# Altium PCB PROB_S7CAS_PCB.PcbDoc (part 1 of 6) (continued)
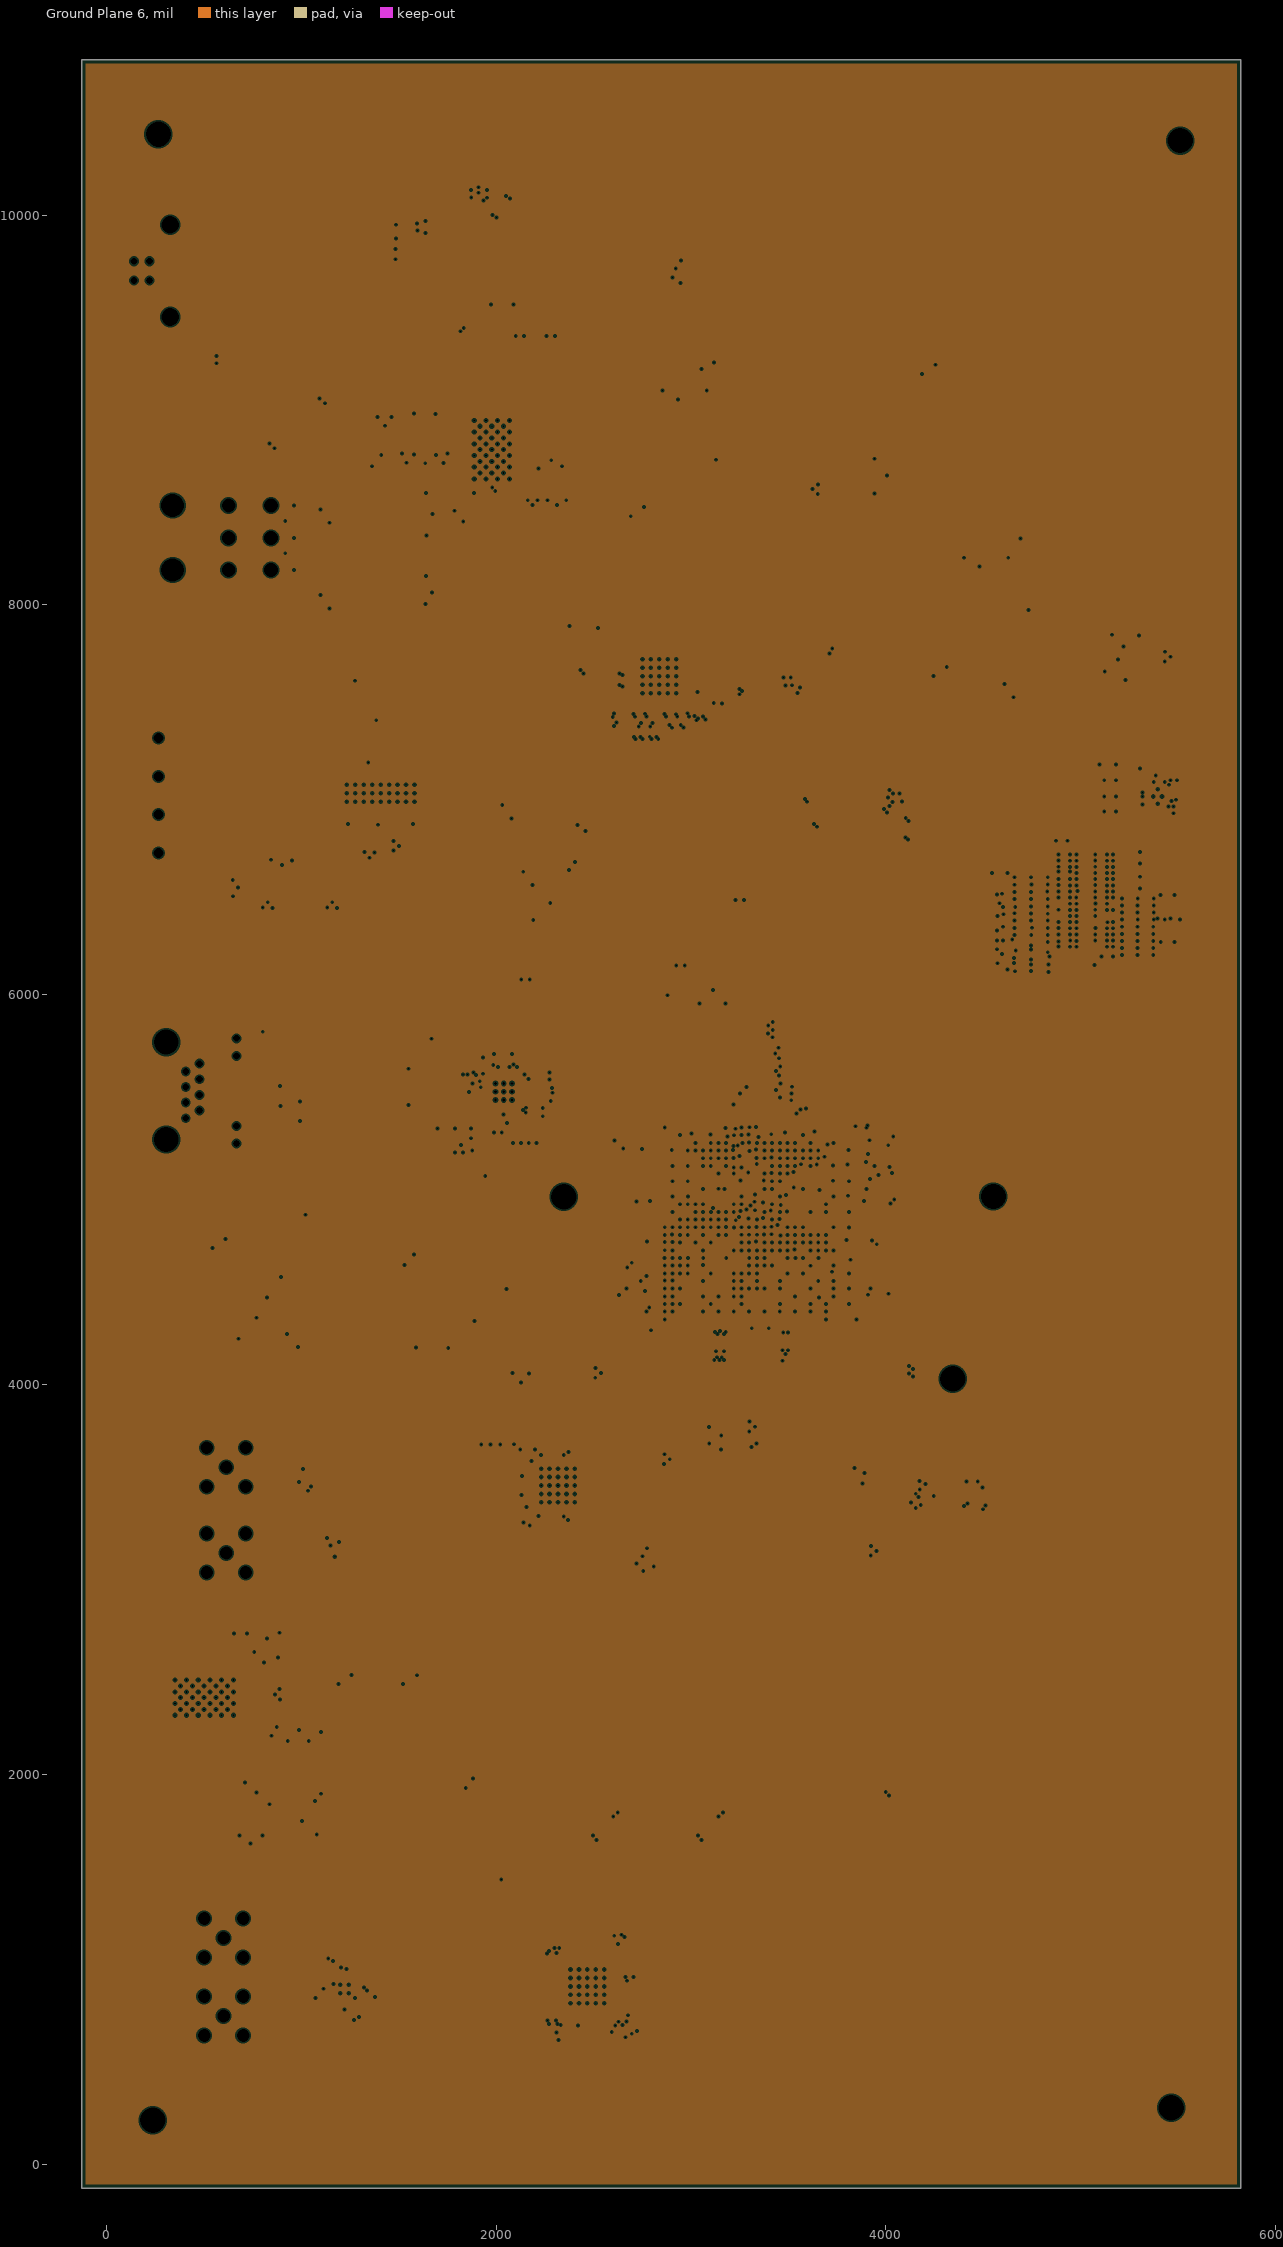
[diagram p11: Ground Plane 6, clearances drawn from the general rule]
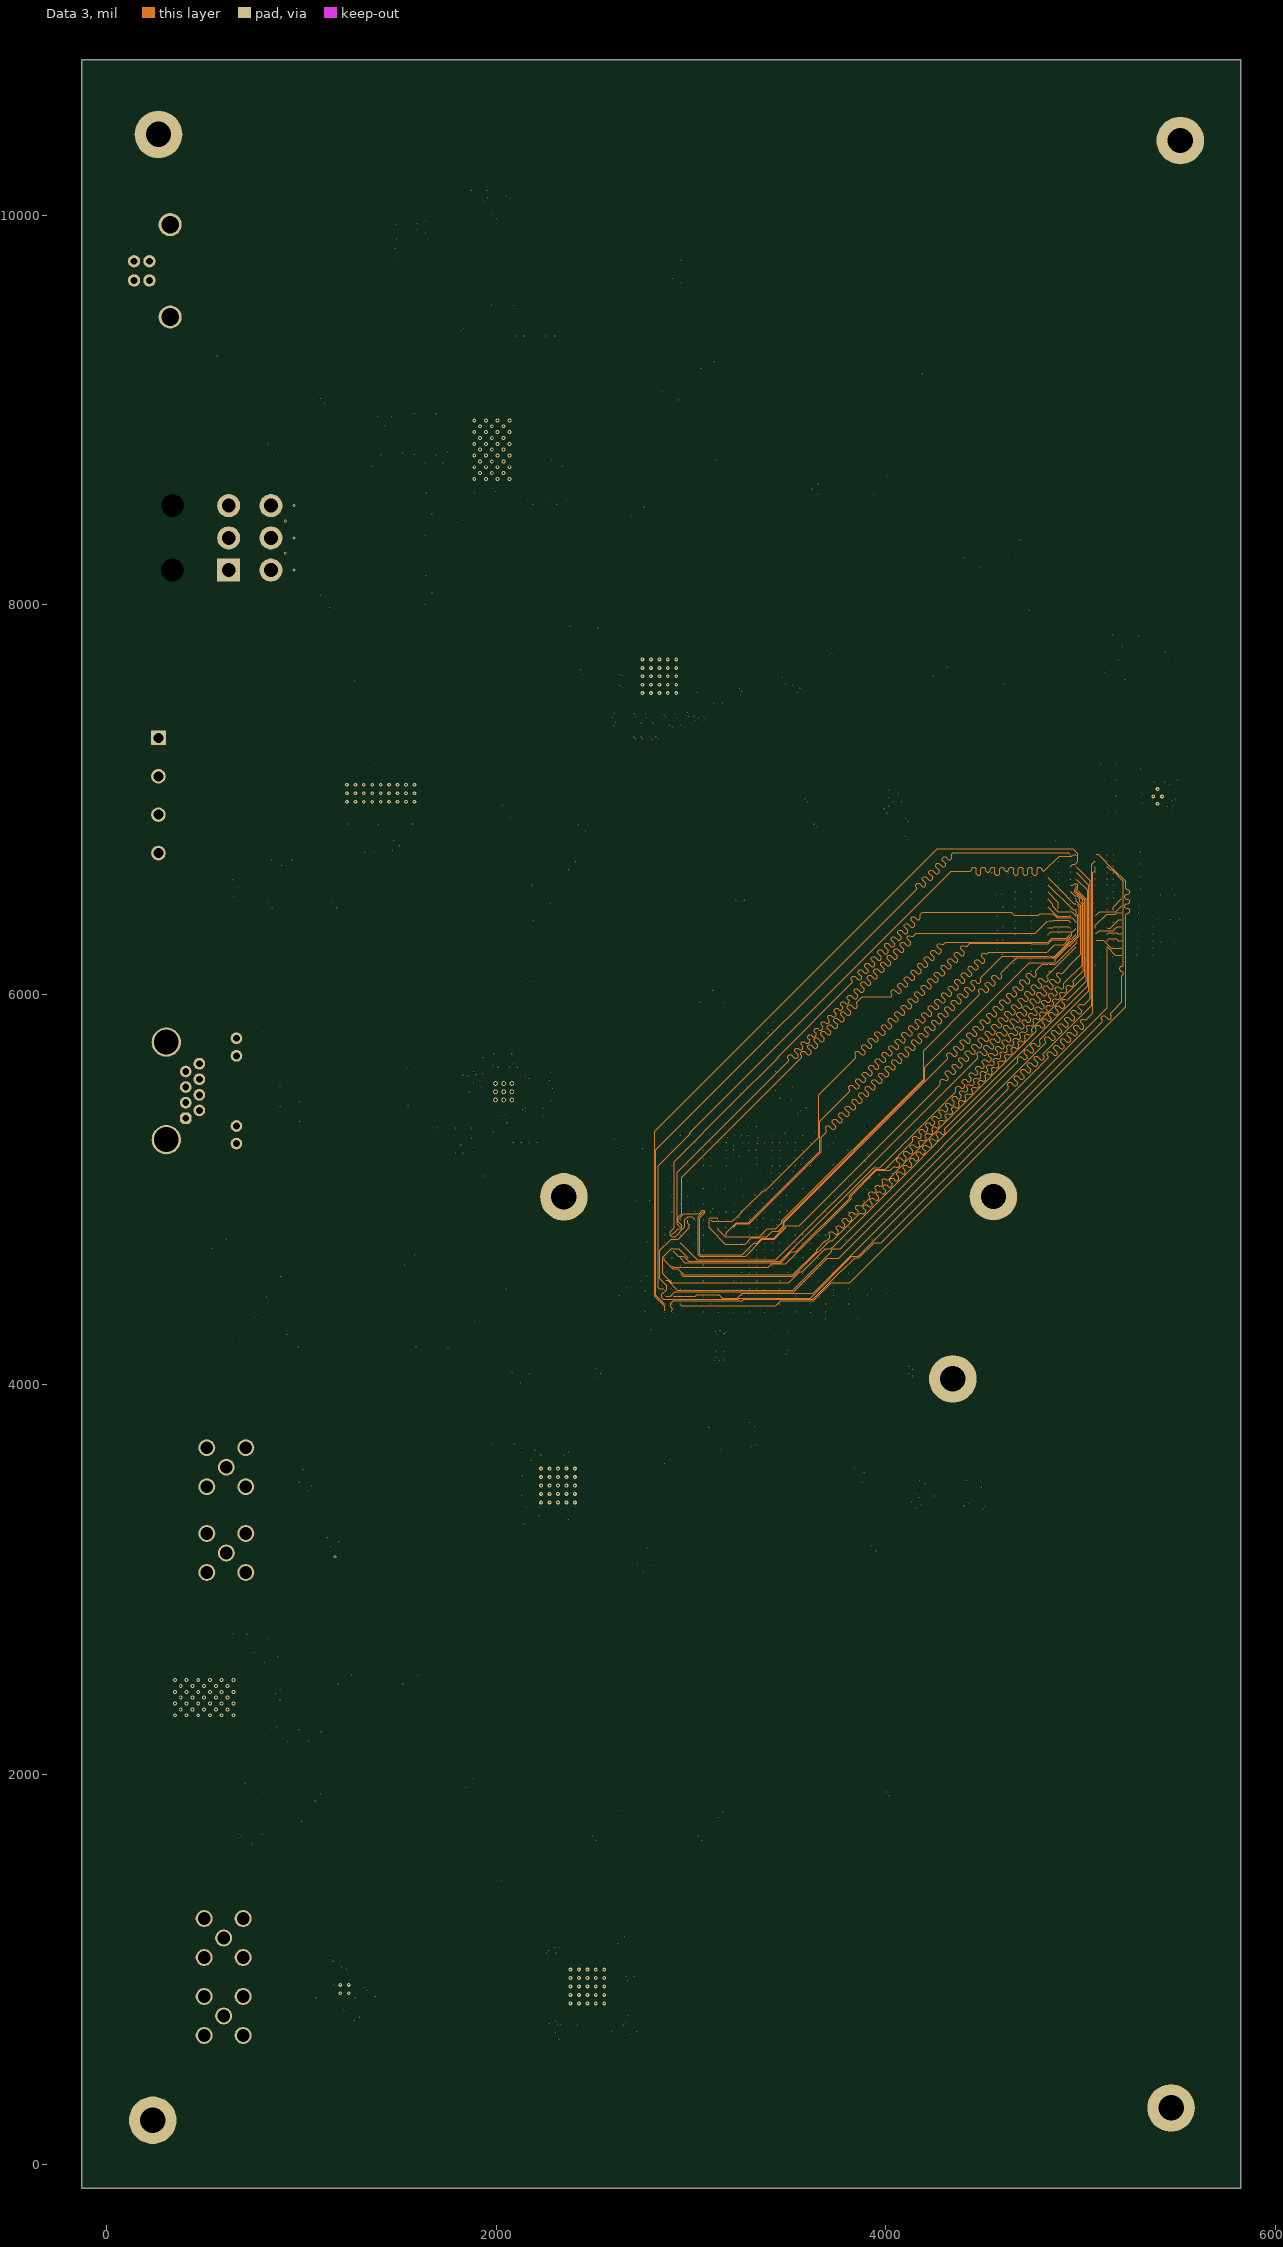
[diagram p12: Data 3]
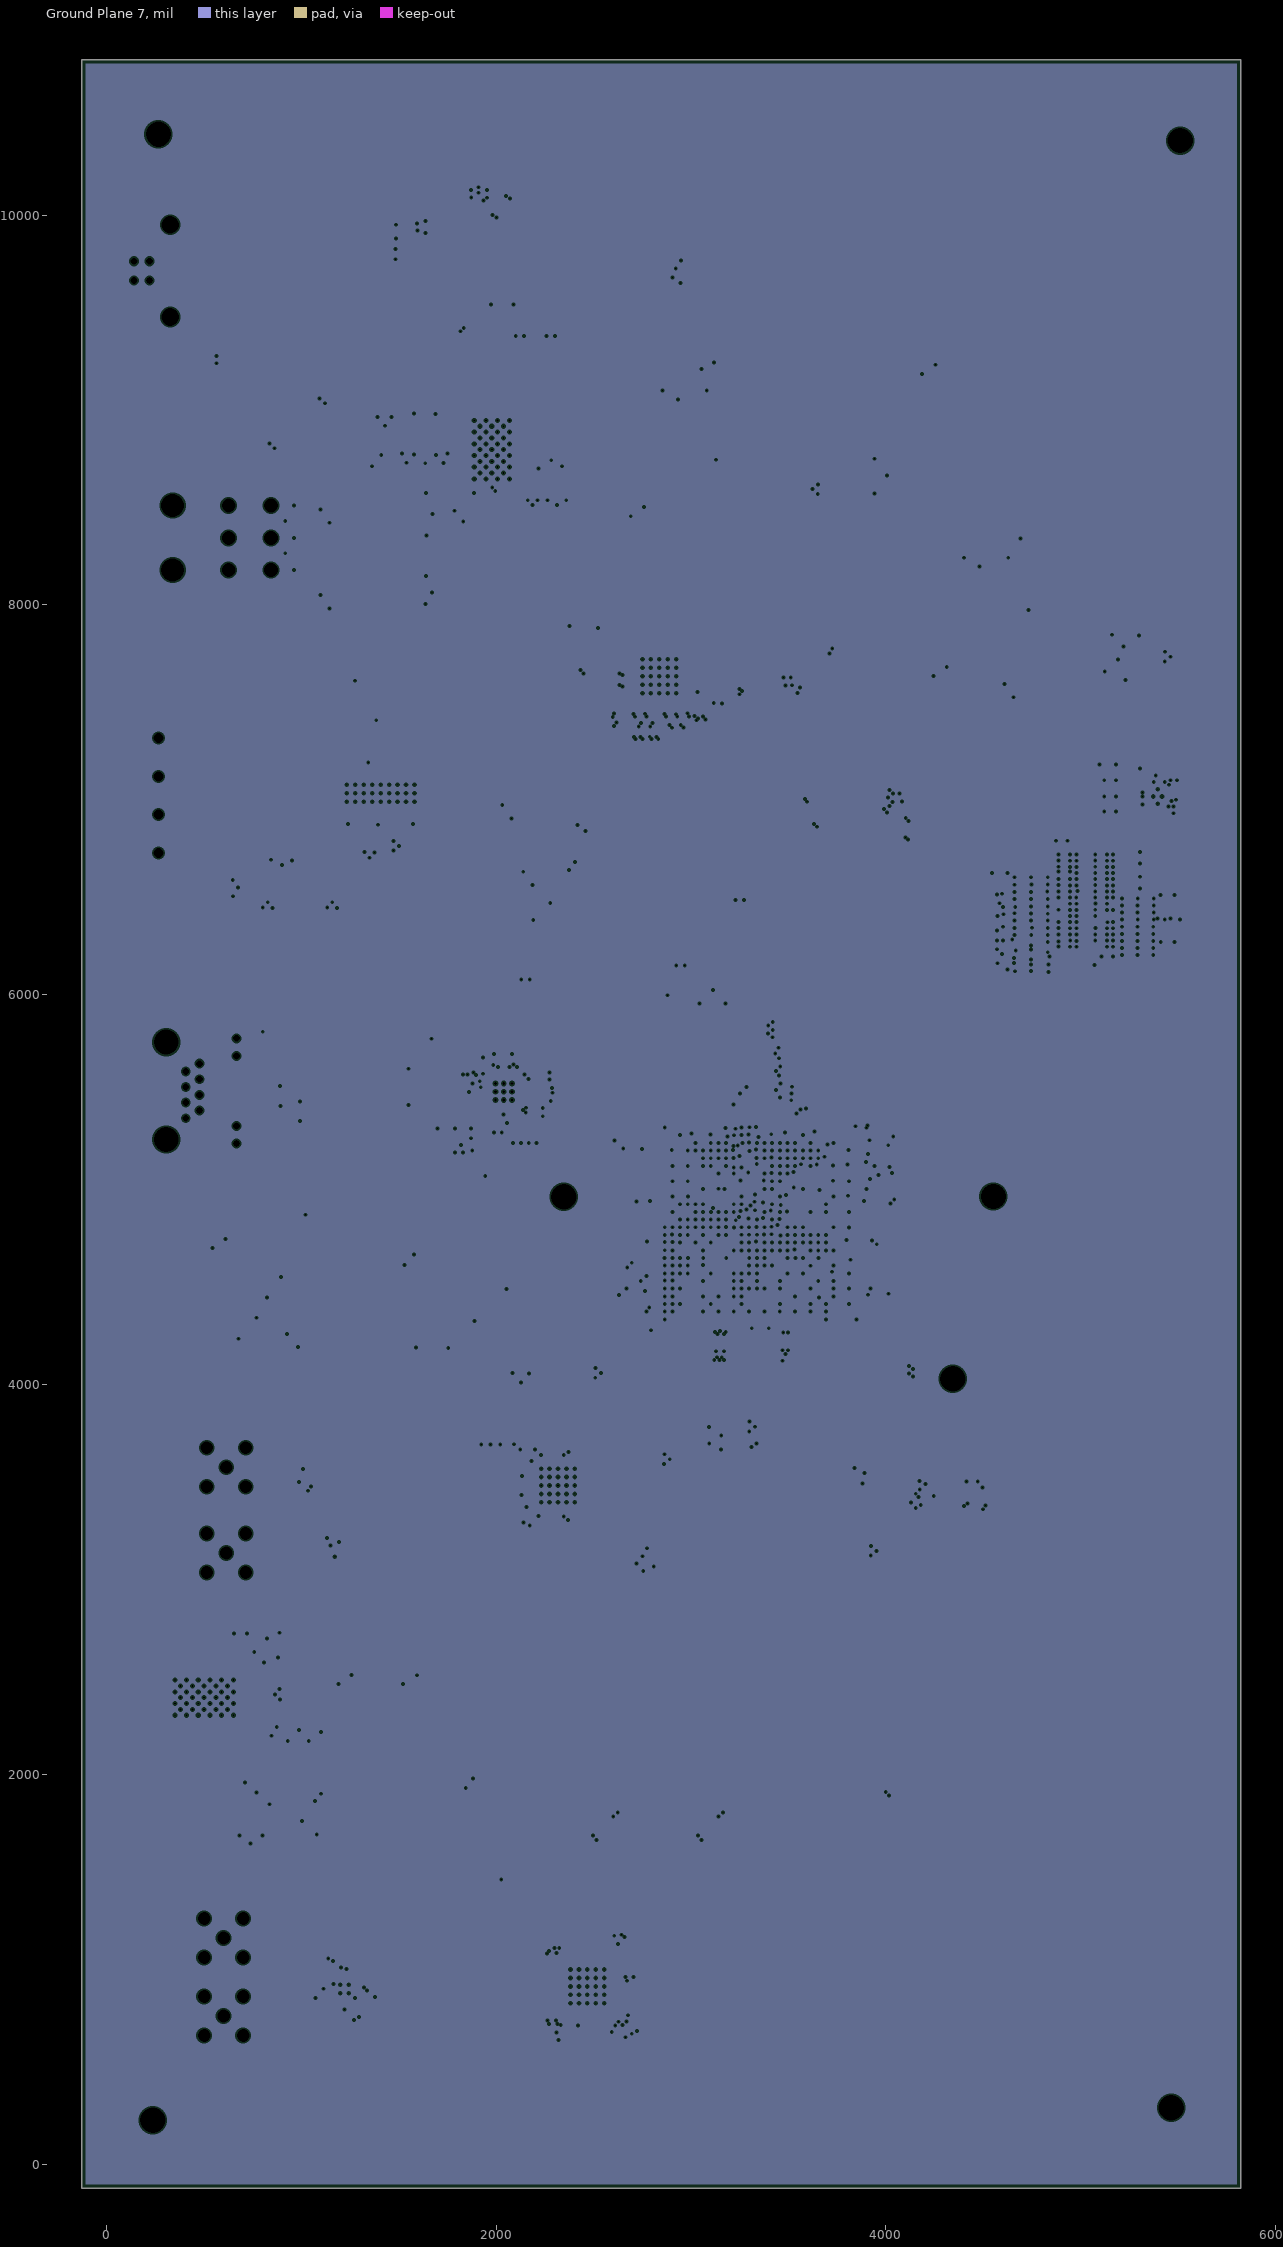
[diagram p13: Ground Plane 7, clearances drawn from the general rule]
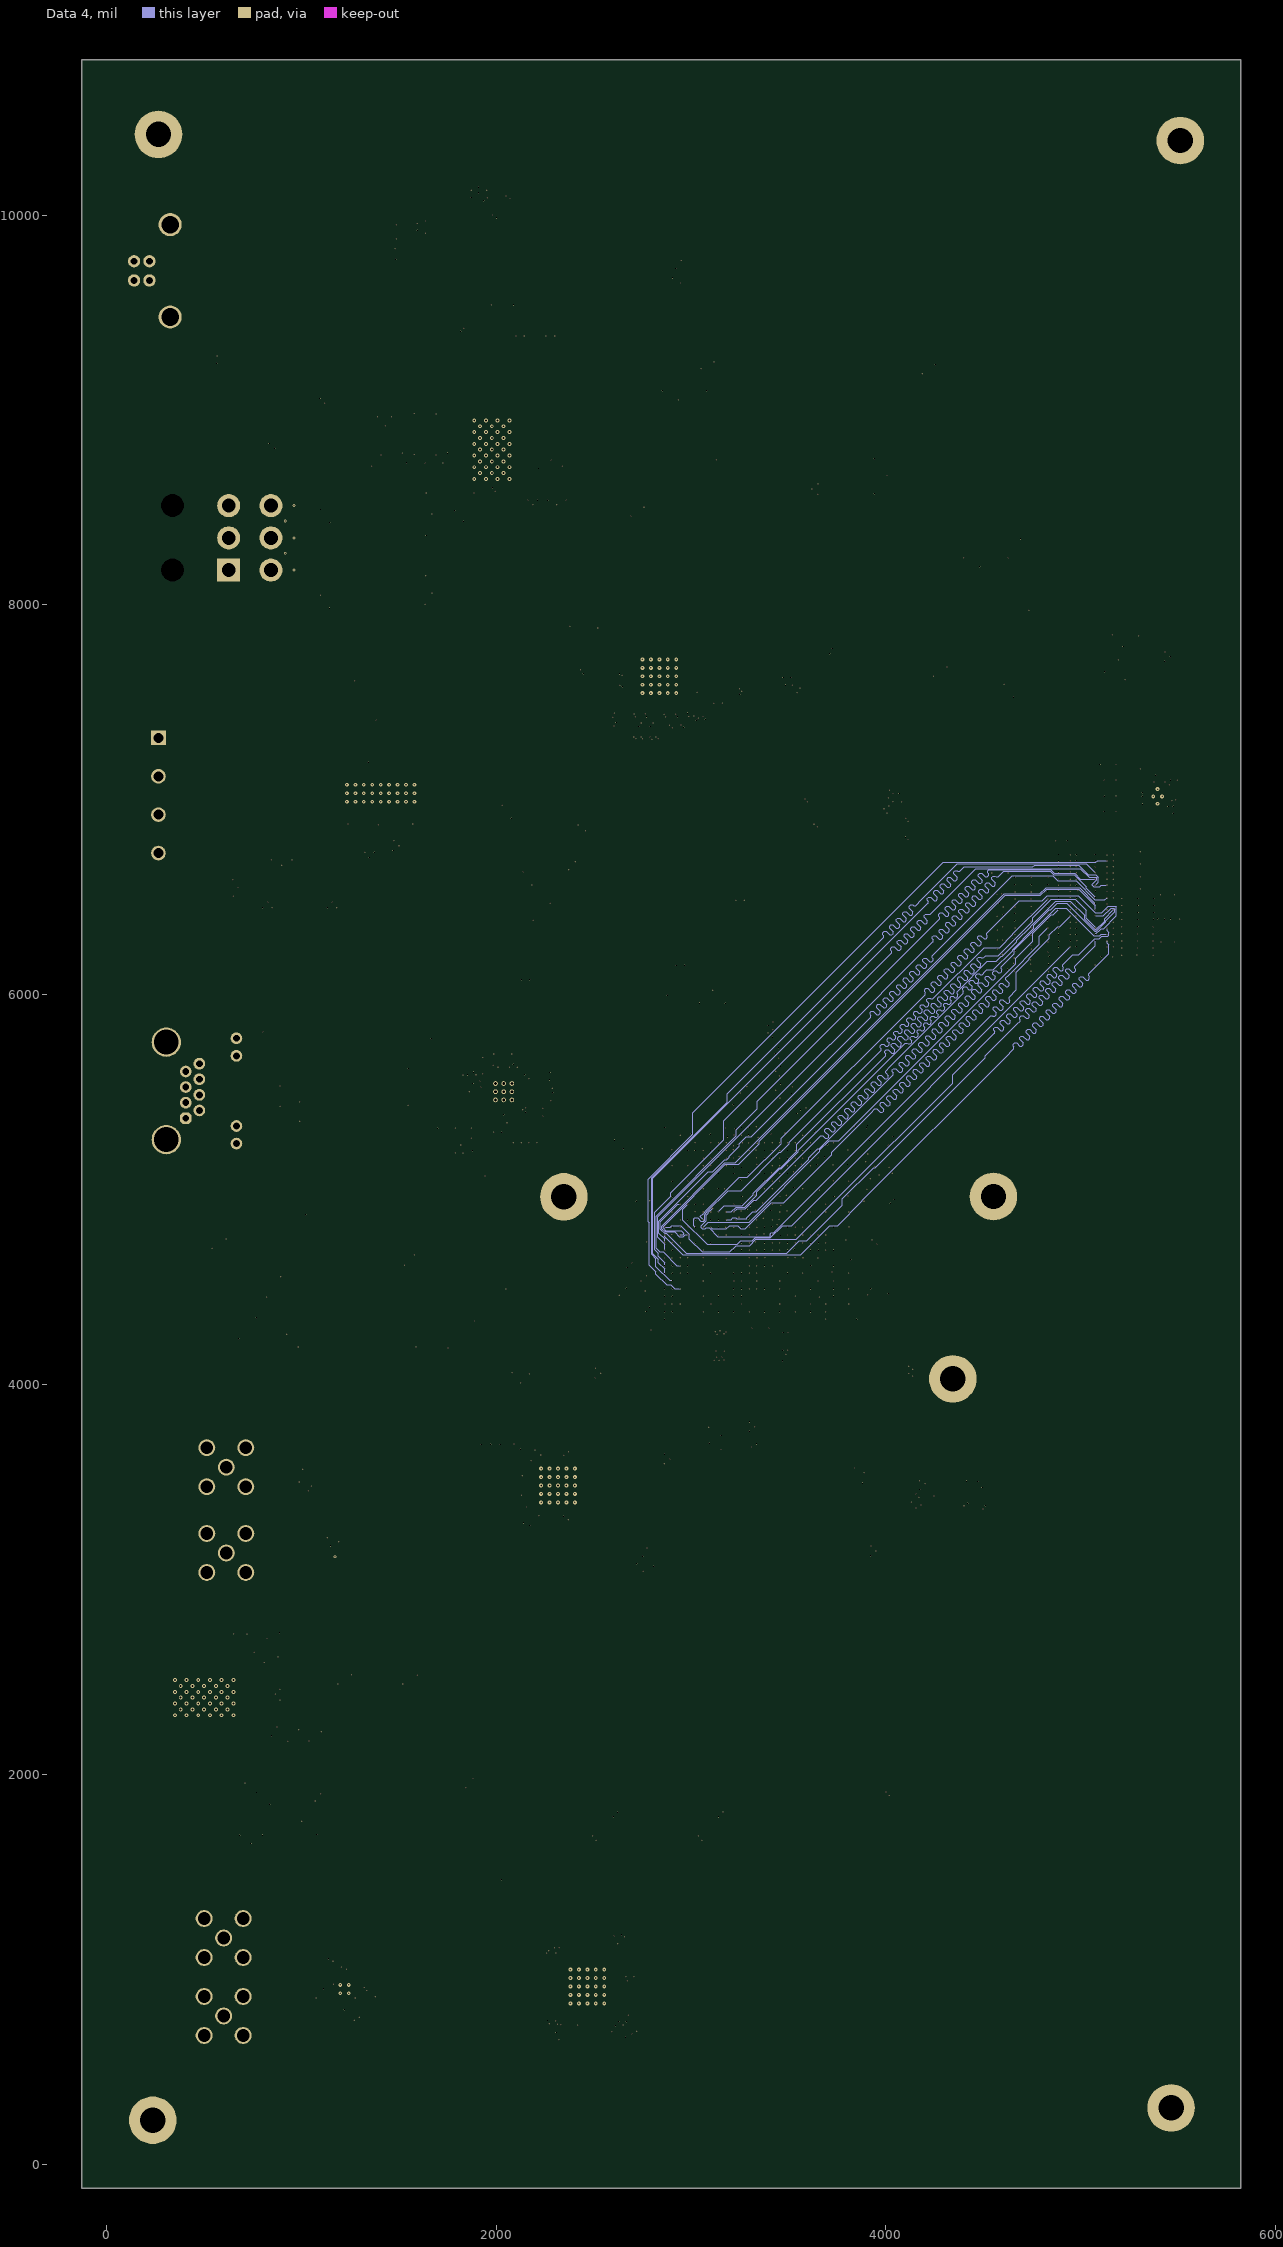
[diagram p14: Data 4]
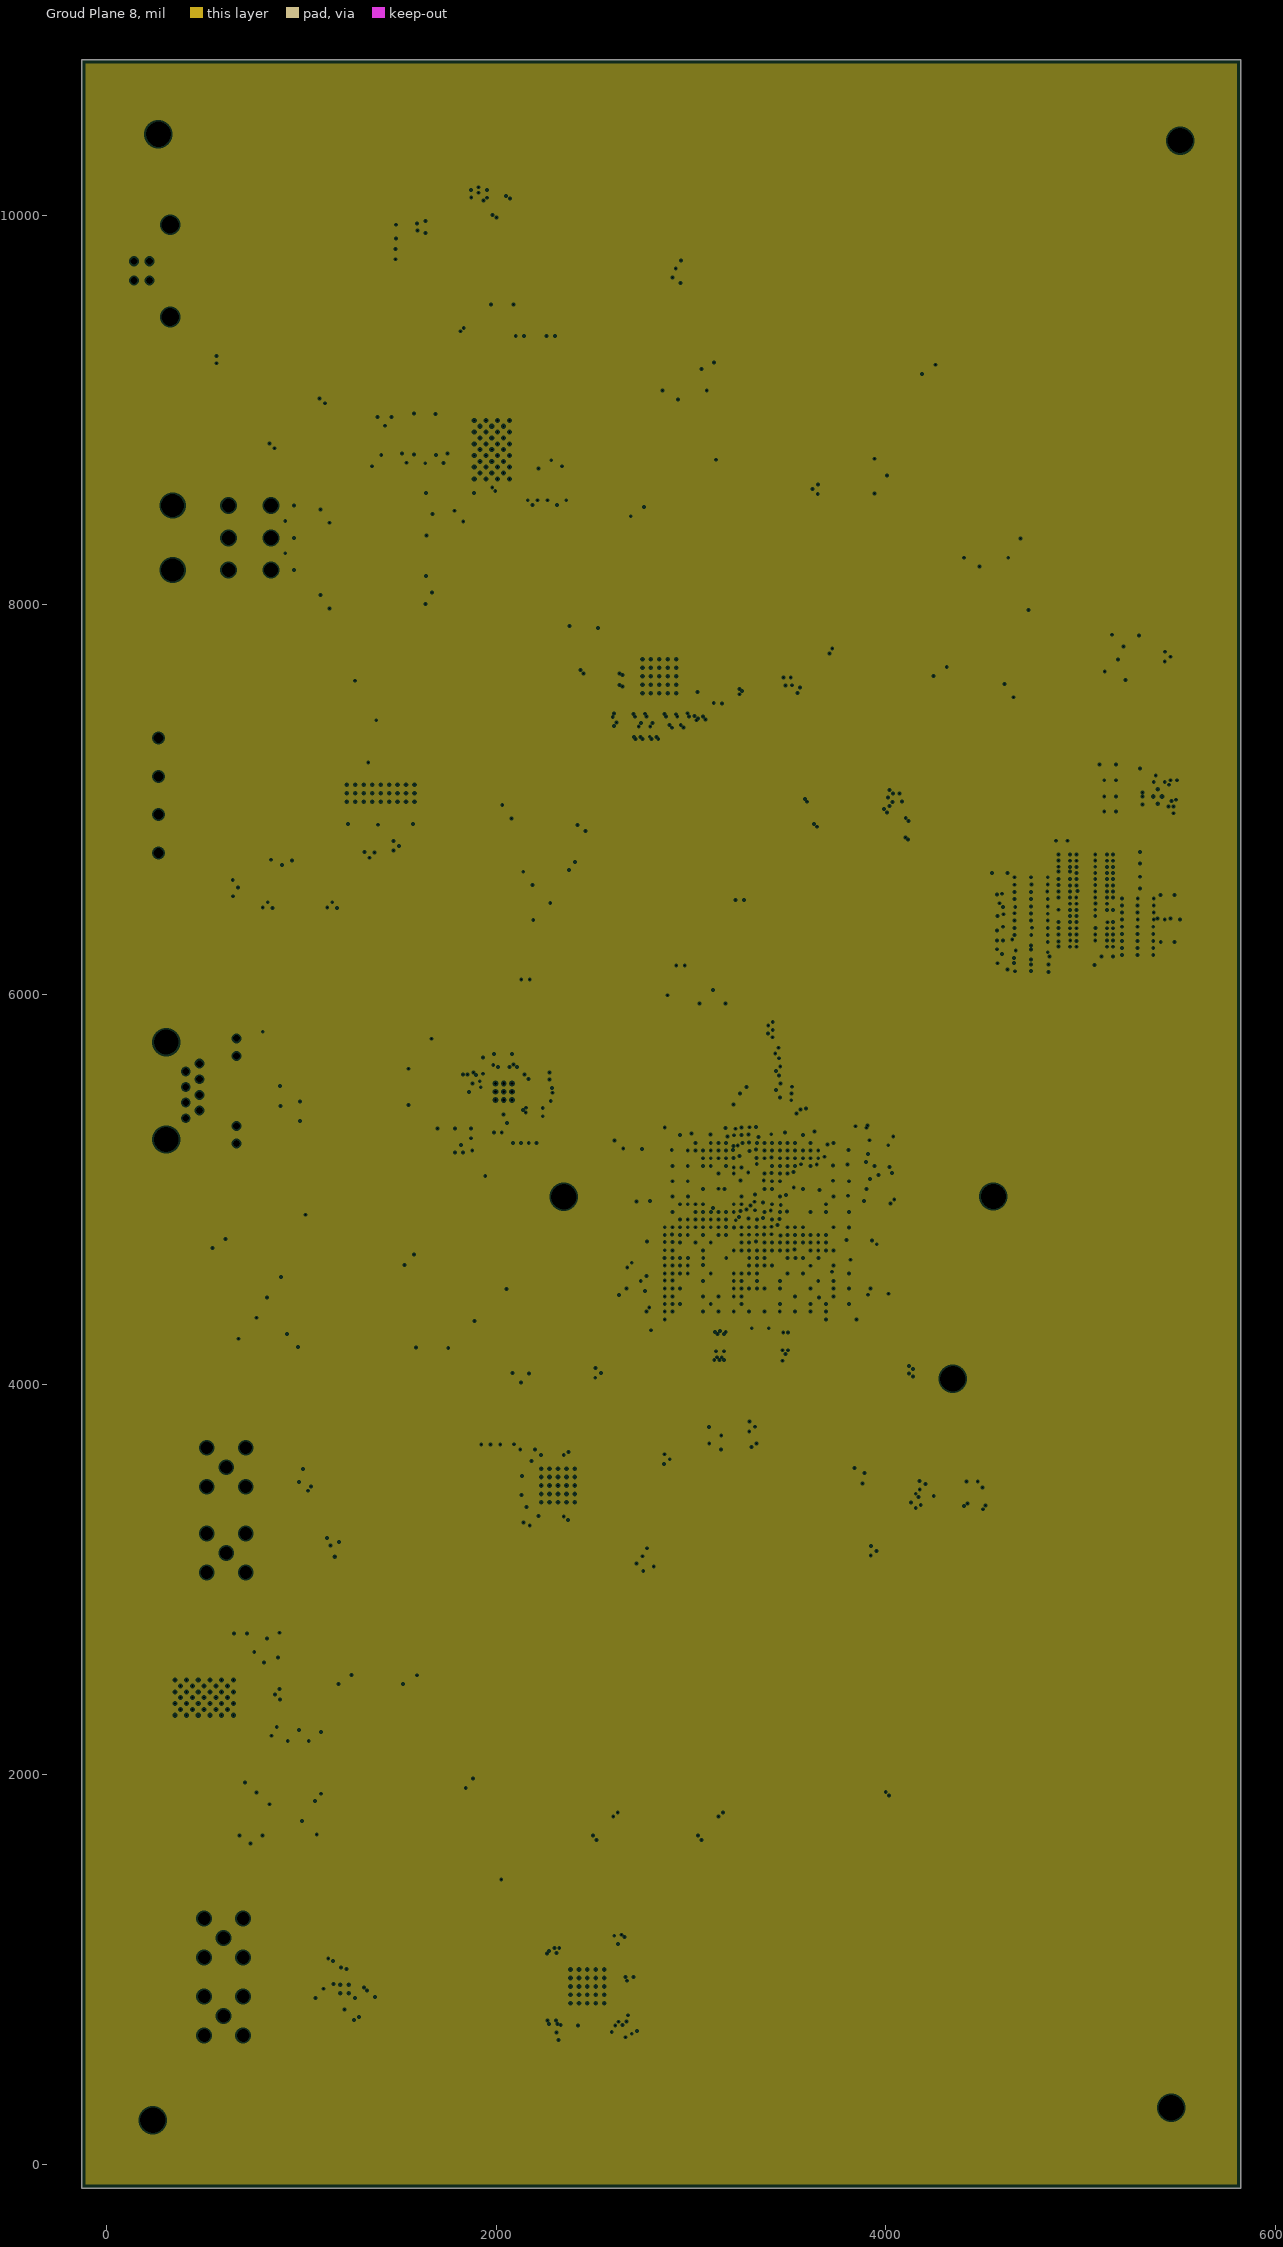
[diagram p15: Groud Plane 8, clearances drawn from the general rule]

## Layer stack, top to bottom
Top Solder: solder mask 0.4, Solder Resist, Dk 3.5
Top: signal copper 0.709
Dielectric 1: core 3, FR-4, Dk 4.2
Ground Plane 1: plane copper 0.709, net GND
Dielectric 2: prepreg 5, FR-4, Dk 4.1
Data 1: signal copper 0.709
Dielectric 3: core 5, FR-4, Dk 4.1
Ground Plane 2: plane copper 0.709, net GND
Dielectric 4: prepreg 5, FR-4, Dk 4.1
Data 2: signal copper 0.709
Dielectric 5: core 5, FR-4, Dk 4.1
Ground Plane 3: plane copper 0.709
Dielectric 6: prepreg 5, FR-4, Dk 4.2
Power Plane 1: signal copper 0.709
Dielectric 7: core 2, FR-4, Dk 4.2
Ground plane 4: plane copper 0.709
Dielectric 8: prepreg 4, FR-4, Dk 4.1
Power Plane 2: signal copper 0.709
Dielectric 11: core 2, FR-4, Dk 4.1
Ground Plane 5: plane copper 0.709, net GND
Dielectric 9: prepreg 3, FR-4, Dk 4.1
Ground Plane 6: plane copper 0.709
Dielectric 12: core 4, FR-4, Dk 4.1
Data 3: signal copper 0.709
Dielectric 10: prepreg 4, FR-4, Dk 4.1
Ground Plane 7: plane copper 0.709
Dielectric 13: core 4, FR-4, Dk 4.1
Data 4: signal copper 0.709
Dielectric 14: prepreg 4, FR-4, Dk 4.1
Groud Plane 8: plane copper 0.709
Dielectric 15: core 3, FR-4, Dk 4.1
Bottom: signal copper 0.709
Bottom Solder: solder mask 0.4, Solder Resist, Dk 3.5

## Board outline
-125.36,-122.69 5820.67,-122.69 5820.67,10796.11 -125.36,10796.11

## Design rules (kind name [scope] priority, off if disabled: settings)
Clearance [All] p1: gap=3 ignorepadtopadclearanceinfootprint=TRUE except(0: Arc-Hole Track-Hole SMDPad-Hole THPad-Hole Via-Hole Fill-Hole Poly-Hole Region-Hole Text-Hole)
ComponentClearance [All] p1: gap=4 collisioncheckmode=3 verticalgap=4 showdistances=FALSE
DiffPairsRouting [All] p1: maxlimit=10 minlimit=3 mostfreqgap=10 toplayer_minwidth=3 toplayer_maxwidth=15 toplayer_prefwidth=4 midlayer1_minwidth=3 midlayer1_maxwidth=15 midlayer1_prefwidth=4 midlayer2_minwidth=3 midlayer2_maxwidth=15 midlayer2_prefwidth=4 midlayer3_minwidth=3 midlayer3_maxwidth=15 midlayer3_prefwidth=4 midlayer4_minwidth=3 midlayer4_maxwidth=15 midlayer4_prefwidth=4 midlayer5_mingap=10 midlayer5_minwidth=15 midlayer5_maxwidth=15 midlayer5_prefwidth=15 midlayer6_mingap=10 midlayer6_minwidth=15 midlayer6_maxwidth=15 midlayer6_prefwidth=15 bottomlayer_minwidth=3 bottomlayer_maxwidth=15 bottomlayer_prefwidth=4 maxuncoupledlength=500
HoleSize [All] p1: absolutevalues=TRUE maxlimit=1000 minlimit=4 maxpercent=80.000 minpercent=20.000
HoleToHoleClearance [All] p1: gap=10 allowstackedmicrovias=FALSE
MatchedLengths MatchedLengths_3 [InNetClass('Clock')] p1: tolerance=100 checknetsindiffpair=FALSE checkdiffpairvsdiffpair=TRUE checkxsignals=TRUE checkothers=TRUE
MatchedLengths MatchedLengths_2 [InNetClass('Command/Control')] p2: tolerance=100 checknetsindiffpair=FALSE checkdiffpairvsdiffpair=TRUE checkxsignals=TRUE checkothers=TRUE
MatchedLengths MatchedLengths_1 [InNetClass('Adress')] p3: tolerance=100 checknetsindiffpair=FALSE checkdiffpairvsdiffpair=TRUE checkxsignals=TRUE checkothers=TRUE
MatchedLengths [InNetClass('DQ')] p4: tolerance=100 checknetsindiffpair=FALSE checkdiffpairvsdiffpair=TRUE checkxsignals=TRUE checkothers=TRUE
MinimumSolderMaskSliver [All] p1: minsoldermaskwidth=4
PlaneClearance [All] p1: clearance=8
PlaneConnect [All] p1: pad.planeconnectstyle=Relief pad.reliefexpansion=20 pad.reliefentries=4 pad.reliefconductorwidth=10 pad.reliefairgap=10 via.planeconnectstyle=Direct via.reliefexpansion=20 via.reliefentries=4 via.reliefconductorwidth=10 via.reliefairgap=10
PolygonConnect [All] p1: thpad.connectstyle=Relief thpad.reliefconductorwidth=10 thpad.reliefentries=4 thpad.polygonreliefangle="90 Angle" thpad.airgapwidth=10 smdpad.connectstyle=Direct smdpad.reliefconductorwidth=10 smdpad.reliefentries=4 smdpad.polygonreliefangle="90 Angle" smdpad.airgapwidth=10 via.connectstyle=Direct via.reliefconductorwidth=10 via.reliefentries=4 via.polygonreliefangle="90 Angle" via.airgapwidth=10
RoomDefinition PROB_S7CAS_PHY [InComponentClass('PROB_S7CAS_PHY')] p1: confinementstyle=ConfineIn formatcopy=TRUE lockcomponents=FALSE outline -20000,-20000 -18000,-20000 -18000,-19000 -20000,-19000
RoomDefinition PROB_S7CAS_DDR [InComponentClass('PROB_S7CAS_DDR')] p2: confinementstyle=ConfineIn formatcopy=TRUE lockcomponents=FALSE outline -20000,-20000 -18000,-20000 -18000,-19000 -20000,-19000
RoomDefinition PROB_S7CAS_DAC [InComponentClass('PROB_S7CAS_DAC')] p3: confinementstyle=ConfineIn formatcopy=TRUE lockcomponents=FALSE outline -20000,-20000 -18000,-20000 -18000,-19000 -20000,-19000
RoomDefinition PROB_S7CAS_Title [InComponentClass('PROB_S7CAS_Title')] p4: confinementstyle=ConfineIn formatcopy=TRUE lockcomponents=FALSE outline -20000,-20000 -18000,-20000 -18000,-19000 -20000,-19000
RoomDefinition PROB_S7CAS_MOTDRIVER [InComponentClass('PROB_S7CAS_MOTDRIVER')] p5: confinementstyle=ConfineIn formatcopy=TRUE lockcomponents=FALSE outline -20000,-20000 -18000,-20000 -18000,-19000 -20000,-19000
RoomDefinition PROB_S7CAS_INTERFACE [InComponentClass('PROB_S7CAS_INTERFACE')] p6: confinementstyle=ConfineIn formatcopy=TRUE lockcomponents=FALSE outline -20000,-20000 -18000,-20000 -18000,-19000 -20000,-19000
RoomDefinition PROB_S7CAS_FPGA_3 [InComponentClass('PROB_S7CAS_FPGA_3')] p7: confinementstyle=ConfineIn formatcopy=TRUE lockcomponents=FALSE outline -20000,-20000 -18000,-20000 -18000,-19000 -20000,-19000
RoomDefinition PROB_S7CAS_FPGA_2 [InComponentClass('PROB_S7CAS_FPGA_2')] p8: confinementstyle=ConfineIn formatcopy=TRUE lockcomponents=FALSE outline -20000,-20000 -18000,-20000 -18000,-19000 -20000,-19000
RoomDefinition PROB_S7CAS_FPGA_1 [InComponentClass('PROB_S7CAS_FPGA_1')] p9: confinementstyle=ConfineIn formatcopy=TRUE lockcomponents=FALSE outline -20000,-20000 -18000,-20000 -18000,-19000 -20000,-19000
RoomDefinition PROB_S7CAS_FLASH-JTAG [InComponentClass('PROB_S7CAS_FLASH-JTAG')] p10: confinementstyle=ConfineIn formatcopy=TRUE lockcomponents=FALSE outline -20000,-20000 -18000,-20000 -18000,-19000 -20000,-19000
RoomDefinition PROB_S7CAS_Connectors [InComponentClass('PROB_S7CAS_Connectors')] p11: confinementstyle=ConfineIn formatcopy=TRUE lockcomponents=FALSE outline -20000,-20000 -18000,-20000 -18000,-19000 -20000,-19000
RoomDefinition PROB_S7CAS_Clock [InComponentClass('PROB_S7CAS_Clock')] p12: confinementstyle=ConfineIn formatcopy=TRUE lockcomponents=FALSE outline -20000,-20000 -18000,-20000 -18000,-19000 -20000,-19000
RoomDefinition PROB_S7CAS_ArbreAlimentation [InComponentClass('PROB_S7CAS_ArbreAlimentation')] p13: confinementstyle=ConfineIn formatcopy=TRUE lockcomponents=FALSE outline -20000,-20000 -18000,-20000 -18000,-19000 -20000,-19000
RoomDefinition PROB_S7CAS_ADC [InComponentClass('PROB_S7CAS_ADC')] p14: confinementstyle=ConfineIn formatcopy=TRUE lockcomponents=FALSE outline -20000,-20000 -18000,-20000 -18000,-19000 -20000,-19000
RoutingVias [All] p1: holewidth=4 width=7 viastyle="Through Hole" minholewidth=4 minwidth=6 maxholewidth=10 maxwidth=20
SilkToSilkClearance [All] p1: silktosilkclearance=4
SilkToSolderMaskClearance [IsPad] p1: minsilkscreentomaskgap=2 clearancetoexposedcopper=FALSE
SolderMaskExpansion [All] p1: expansion=2 istentingtop=FALSE
UnRoutedNet [All] p1: checkbadconnections=TRUE
Width [All] p1: maxlimit=1000 minlimit=3 preferedwidth=4 midlayer1_minwidth=4 midlayer2_minwidth=4 midlayer3_prefwidth=3 midlayer4_prefwidth=3 midlayer5_minwidth=4 midlayer5_prefwidth=6 midlayer6_minwidth=4 midlayer6_prefwidth=6 minimp=50.000000 maximp=50.000000 favimp=50.000000
20 further rules are at their usual default settings.
